# KiCad board Leonhart.kicad_pcb (continued)
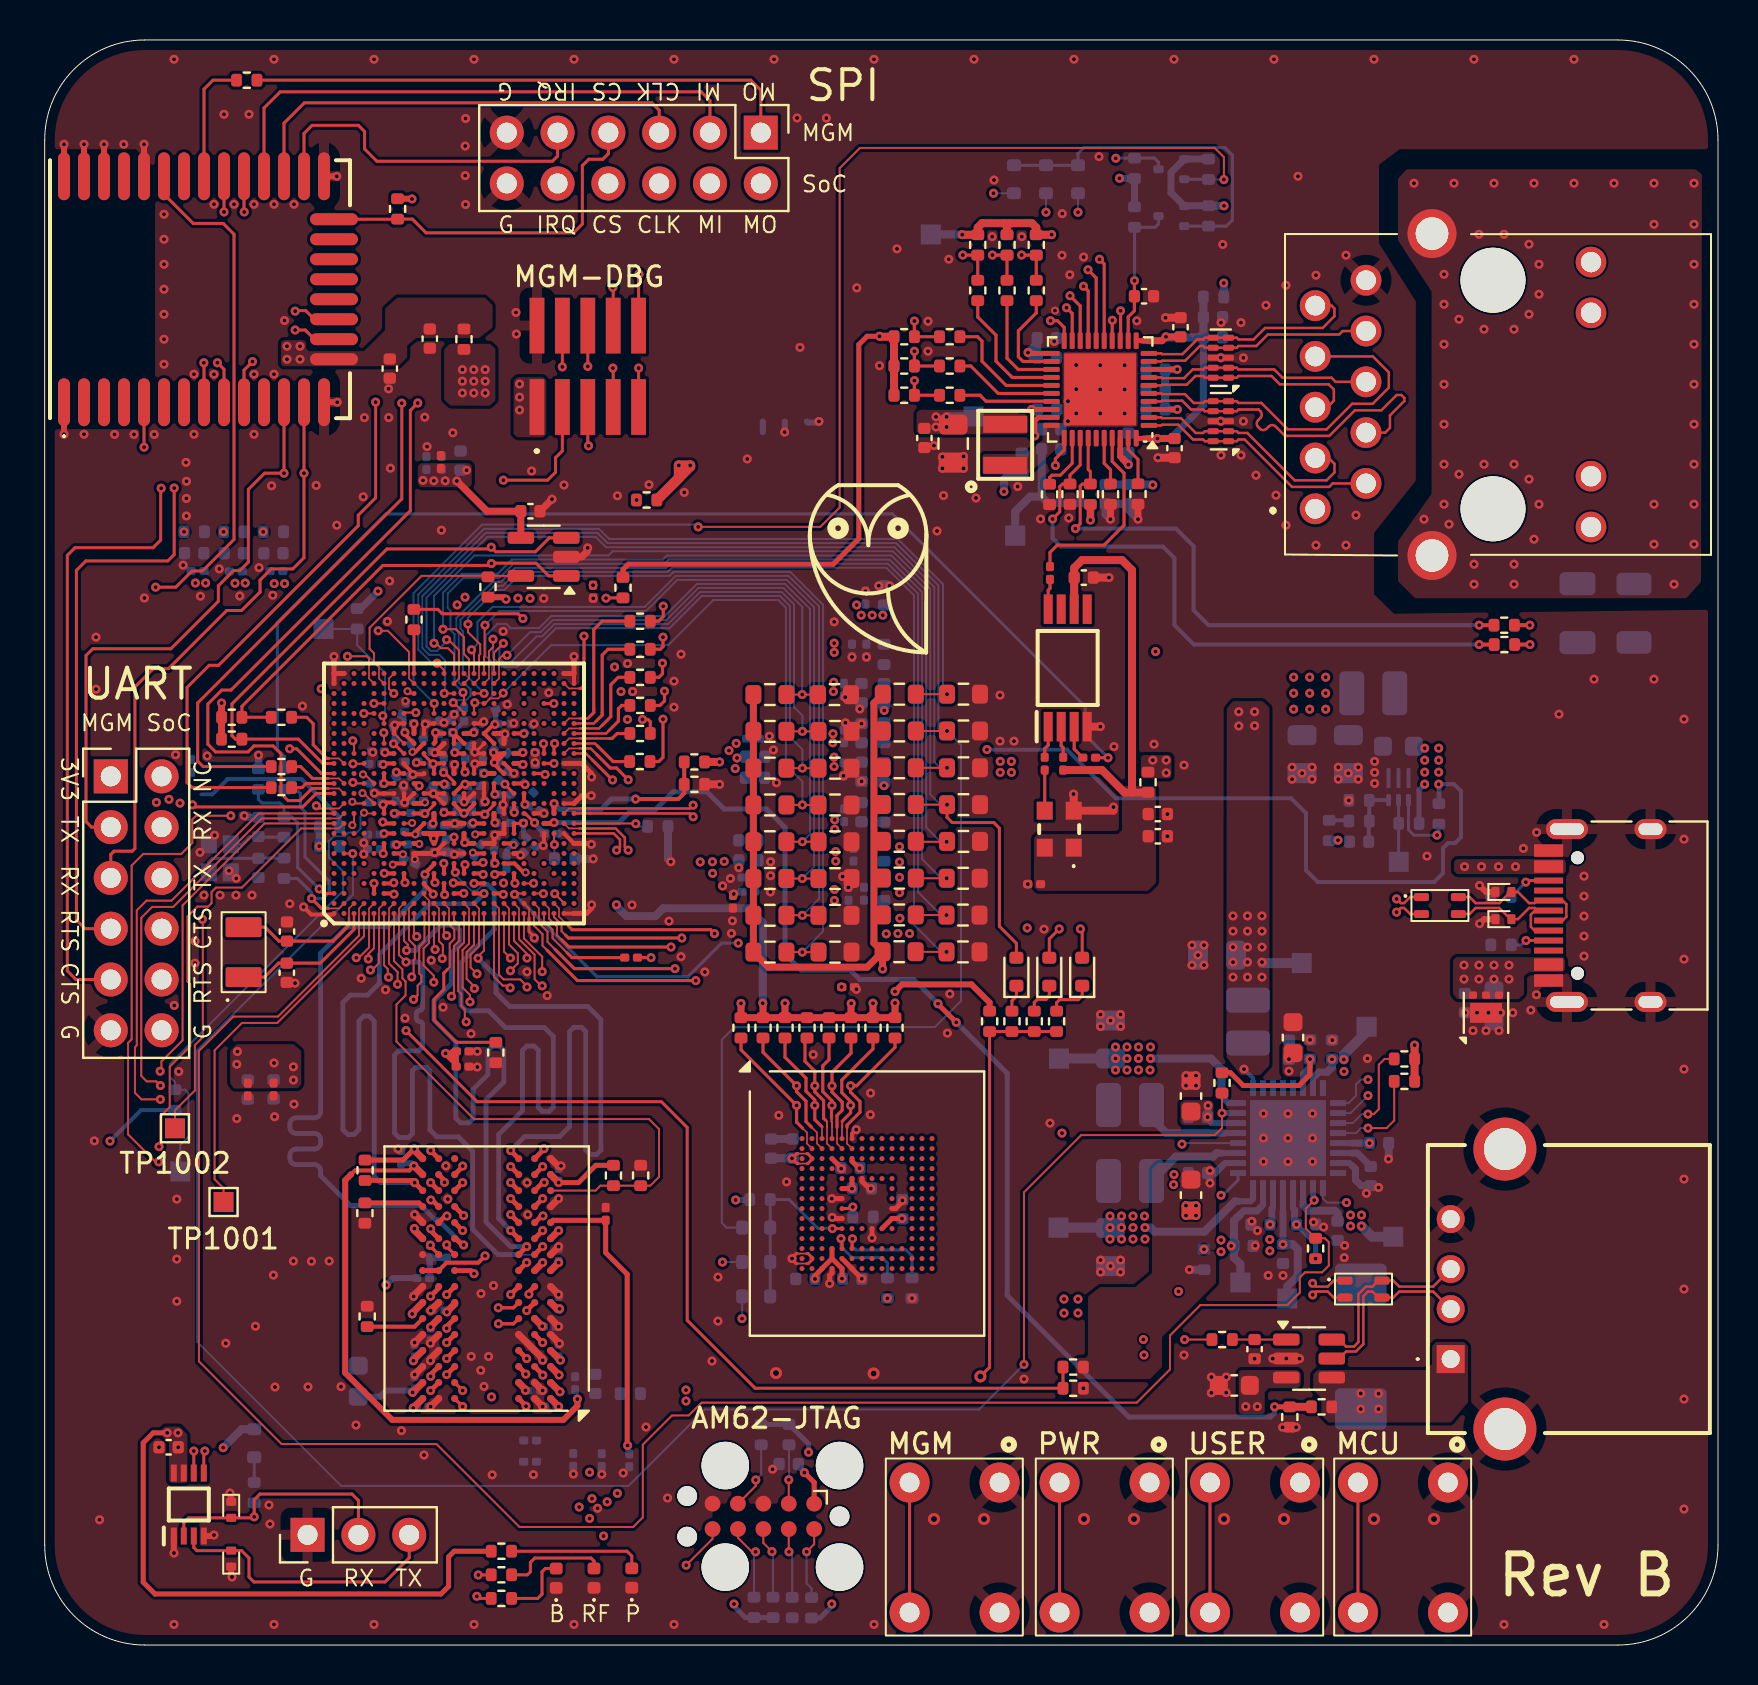
[diagram p0: board, top side]
## Nets (continued)
GND: C1001.2 C1002.2 C1003.2 C1004.2 C1005.2 C1006.2 C1007.2 C1008.2 C1009.2 C1010.2 C1011.2 C2001.2 C2002.2 C3001.2 C3002.2 C3003.2 C3004.2 C3005.2 C3006.2 C3007.2 C3008.2 C3009.2 C3010.2 C3011.2 C3012.2 C3013.2 C3014.2 C3015.2 C3016.2 C3017.2 C3018.2 C3019.2 C3021.2 C3022.2 C3023.2 C3024.2 C3025.2 C3026.2 C3027.2 C3028.2 C3029.2 C3030.2 C3031.2 C3032.2 C3033.2 C3034.2 C3035.2 C3036.2 C3037.2 C3038.2 C3039.2 C3040.2 C3041.2 C3042.2 C3043.2 C3044.2 C3045.2 C3046.2 C3047.2 C3048.2 C3049.2 C3051.2 C3052.2 C3053.2 C3054.2 C3055.2 C3056.2 C3057.2 C3058.2 C3059.2 C3060.2 C3061.2 C3062.2 C3063.2 C3064.2 C3065.2 C3066.2 C3067.2 C3068.2 C3069.2 C3070.2 C3071.2 C3072.2 C3073.2 C3074.2 C3075.2 C3076.2 C3077.2 C3078.2 C3079.2 C3080.2 C3081.2 C3082.2 C3083.2 C3084.2 C3085.2 C3086.2 C3087.2 C3088.2 C3089.2 C3090.2 C3091.2 C3092.2 C3093.2 C3094.2 C3095.2 C3096.2 C3097.2 C3098.2 C3099.2 C3100.2 C3101.2 C3102.2 C3103.2 C3104.2 C3105.2 C3106.2 C3107.2 C3108.2 C3109.2 C3110.2 C3111.2 C3112.2 C3113.2 C3114.2 C3115.2 C3116.2 C3117.2 C3118.2 C3119.2 C3120.2 C3121.2 C3122.2 C3123.2 C3124.2 C4001.2 C4002.2 C4003.2 C4005.2 C4006.2 C4007.2 C4008.2 C4009.2 C4010.2 C4011.2 C4012.2 C4013.2 C4014.2 C4015.2 C4016.2 C4017.2 C4019.2 C4020.2 C4021.2 C5001.2 C5002.2 C5003.2 C5004.2 C5005.2 C5006.2 C5007.2 C5008.2 C5009.2 C5010.2 C5013.2 C5014.2 C5015.2 C5016.2 C5017.2 C5018.2 C5019.2 C5020.2 C5021.2 C6001.2 C6002.2 C6003.2 C6004.2 C6005.2 C6006.2 C6007.2 C6008.2 C6009.2 C6010.2 C6011.2 C6012.2 D1005.1 D1006.1 D6001.1 D6002.1 D7001.1 D7002.1 D7003.1 J1002.3 J1002.5 J1003.1 J2001.11 J2001.12 J2004.11 J2004.12 J6001.A1 J6001.A12 J6001.B1 J6001.B12 J6001.S1 J6002.4 J6002.5 J6002.6 R1027.2 R1028.2 R1029.2 R1030.2 R1031.2 R1032.2 R1033.2 R1034.2 R1035.2 R1036.2 R1037.2 R1038.2 R1039.2 R1040.2 R1041.2 R1042.2 R1053.1 R1061.2 R3002.2 R3009.2 R3014.2 R4004.2 R4006.2 R4007.1 R4008.2 R4010.2 R5005.2 R5006.2 R5007.2 R5020.1 R5021.1 R5023.2 R5024.2 R5027.2 R5035.2 R5036.2 R5037.2 R6002.1 R6015.1 R6016.2 R6017.2 R6018.1 R6019.1 R6020.1 R6022.1 SW7001.1 SW7001.2 SW7002.1 SW7002.2 SW7003.1 SW7003.2 SW7004.1 SW7004.2 U1001.4 U1002.A1 U1002.A24 U1002.A25 U1002.AA11 U1002.AB9 U1002.AD1 U1002.AD9 U1002.AD12 U1002.AD16 U1002.AD25 U1002.AE1 U1002.AE8 U1002.AE12 U1002.AE16 U1002.AE24 U1002.AE25 U1002.B25 U1002.F13 U1002.G13 U1002.G19 U1002.H13 U1002.H16 U1002.H18 U1002.H20 U1002.J7 U1002.J13 U1002.K7 U1002.K13 U1002.K15 U1002.K19 U1002.L20 U1002.M7 U1002.M8 U1002.M10 U1002.M12 U1002.M13 U1002.M17 U1002.M18 U1002.N15 U1002.P7 U1002.P10 U1002.P13 U1002.R13 U1002.R15 U1002.R18 U1002.R20 U1002.T8 U1002.T13 U1002.T14 U1002.T16 U1002.T17 U1002.T18 U1002.U8 U1002.U19 U1002.V9 U1002.V10 U1002.V11 U1002.V13 U1002.V16 U1002.V18 U1002.W7 U1002.Y2 U1003.1 U1003.4 U1004.2 U2001.1 U2001.14 U2001.23 U2001.32 U2001.34 U2001.35 U2001.36 U2002.2 U3001.15 U3001.33 U3002.4 U4001.A2 U4001.A8 U4001.B2 U4001.C9 U4001.D2 U4001.D8 U4001.E1 U4001.E3 U4001.E8 U4001.E9 U4001.F1 U4001.G8 U4001.H1 U4001.H9 U4001.K1 U4001.K9 U4001.M9 U4001.N1 U4001.T1 U5001.10 U5001.12 U5002.41 U5003.3 U5003.8 U5004.3 U5004.8 U6001.1 U6001.2 U6001.3 U6001.7 U6002.A6 U6002.C4 U6002.E7 U6002.G5 U6002.H10 U6002.J5 U6002.K8 U6002.N2 U6002.N5 U6002.P4 U6002.P6 U6003.2 X1001.2 X1002.2 X1002.4
VDD1V0_ETH: 1V0_ETH.1 C5005.1 C5006.1 C5007.1 C5008.1 C5009.1 C5010.1 C5018.1 C5019.1 L5001.2 U5002.3 U5002.8 U5002.21 U5002.38
VDD1V8_CLKBUF: C1001.1 C1002.1 C1003.1 C1004.1 FB1001.2 R1020.1 U1001.6 X1001.1 X1001.4
VDD1V8_ETH: 1V8_ETH.1 C5013.1 C5014.1 C5015.1 R5001.1 R5002.1 R5003.1 R5004.1 R5032.1 R5033.1 R5034.1 U5002.28
VDD_1V2: C3009.1 C3082.1 C3083.1 C3084.1 C3085.1 C3086.1 C3087.1 C3088.1 C3089.1 C4004.1 C4005.1 C4006.1 C4007.1 C4008.1 C4009.1 C4010.1 C4011.1 C4012.1 C4013.1 C4014.1 C4015.1 C4016.1 C4017.1 C4018.2 L3003.2 R4003.1 R4005.2 R4009.2 U1002.K9 U1002.L8 U1002.M9 U1002.P9 U1002.R8 U3001.24 U4001.A1 U4001.A9 U4001.B3 U4001.B9 U4001.C1 U4001.D1 U4001.D9 U4001.F2 U4001.F8 U4001.G1 U4001.G7 U4001.G9 U4001.J1 U4001.J2 U4001.J8 U4001.J9 U4001.L1 U4001.L9 U4001.R1 U4001.T9 VDD_1V2.1
VDD_1V8: C1009.1 C3006.1 C3011.1 C3061.1 C3062.1 C3063.1 C3064.1 C3065.1 C3066.1 C3067.1 C3068.1 C3069.1 C3070.1 C3071.1 C3072.1 C6003.1 C6004.1 C6005.1 FB1001.1 J1002.1 L3002.2 Q5001.1 Q5002.1 R1001.1 R1002.1 R1003.1 R1004.1 R1005.1 R1006.1 R1007.1 R1008.1 R1009.1 R1010.1 R1011.1 R1012.1 R1013.1 R1014.1 R1015.1 R1016.1 R1017.1 R1018.1 R1054.1 R1055.1 R1056.1 R1057.1 R1058.1 R3003.1 R3008.1 R5028.1 R5030.1 R6004.1 R6005.1 R6006.1 R6007.1 R6008.1 R6009.1 R6010.1 R6011.1 R6012.1 R6013.1 U1002.F11 U1002.G10 U1002.G12 U1002.J18 U1002.N18 U1002.P18 U1002.T7 U1002.T19 U1002.U18 U1002.W16 U1002.W19 U3001.20 U3001.32 U6002.C6 U6002.M4 U6002.N4 U6002.P3 U6002.P5 VDD_1V8.1
VDD_2V5: C3016.1 FB4001.1 U3001.23 VDD_2V5.1
VDD_3V3: C1010.1 C1011.1 C3010.1 C3012.1 C3020.2 C3021.1 C3022.1 C3073.1 C3074.1 C3075.1 C3076.1 C3077.1 C3078.1 C3079.1 C3080.1 C3081.1 C6001.1 C6002.1 D1004.2 FB2001.1 FB5001.2 FB5003.1 L3004.2 R1019.1 R1043.1 R1044.1 R1060.1 R3004.1 R3005.1 R3006.1 R3013.2 R7001.1 U1002.F15 U1002.G14 U1002.H9 U1002.K10 U1002.L18 U1002.M19 U1002.Y13 U1003.7 U1003.8 U1004.4 U3001.6 U3001.22 U6002.E6 U6002.F5 U6002.J10 U6002.K9
VDD_CANUART: C3114.1 C3115.1 C3116.1 FB3009.2 U1002.F8
VDD_CORE: C3003.1 C3032.1 C3033.1 C3034.1 C3035.1 C3036.1 C3037.1 C3038.1 C3039.1 C3040.1 C3041.1 C3042.1 C3043.1 C3044.1 C3045.1 C3046.1 C3047.1 C3048.1 C3049.1 FB3003.1 FB3006.1 FB3009.1 L3001.2 U1002.H8 U1002.J11 U1002.J14 U1002.K17 U1002.L12 U1002.L15 U1002.M16 U1002.N8 U1002.N11 U1002.N13 U1002.P17 U1002.R11 U1002.R14 U1002.U12 U1002.V8 U1002.V15 U1002.V17 U3001.1 VDD_CORE.1
VDD_MGM: C2001.1 C2002.1 FB2001.2 J2001.1 R2002.1 U2001.15 U2002.1
VDD_SD: C3013.1 FB3011.1 U3001.7 VDD_SD.1
VDDA3V3_ETH: C5001.1 C5002.1 C5003.1 C5004.1 FB5001.1 U5002.11 U5002.40
VDDA_1V8: C3015.1 C3120.1 C3121.1 C3122.1 FB3001.1 FB3002.1 FB3004.1 FB3005.1 FB3007.1 FB3008.1 FB3010.1 U1002.G7 U1002.G16 U1002.T9 U3001.21 VDDA_1V8.1
VDDA_1V8_CSIRX: C3090.1 C3091.1 C3092.1 FB3001.2 U1002.W14
VDDA_1V8_MCU: C3108.1 C3109.1 C3110.1 FB3007.2 U1002.L11
VDDA_1V8_OLDI: C3117.1 C3118.1 C3119.1 FB3010.2 U1002.W9 U1002.W10
VDDA_1V8_USB: C3099.1 C3100.1 C3101.1 FB3004.2 U1002.Y11
VDDA_CORE_CSI: C3105.1 C3106.1 C3107.1 FB3006.2 U1002.W13
VDDA_CORE_USB: C3096.1 C3097.1 C3098.1 FB3003.2 U1002.W12
VDDA_PLL0: C3093.1 C3094.1 C3095.1 FB3002.2 U1002.U11
VDDA_PLL1: C3102.1 C3103.1 C3104.1 FB3005.2 U1002.U15
VDDA_PLL2: C3111.1 C3112.1 C3113.1 FB3008.2 U1002.L14
VDDR_CORE: C3014.1 C3051.1 C3052.1 C3053.1 C3054.1 C3055.1 C3056.1 C3057.1 C3058.1 C3059.1 C3060.1 C3124.1 U1002.J12 U1002.K16 U1002.N12 U1002.N14 U1002.P16 U1002.R12 U1002.T10 U1002.U14 U3001.19 VDDR_CORE.1
VDDSHV5_SDIO: C3123.1 FB3011.2 U1002.G17
/Ethernet [5]/ETH_CFG_EXIT/LED0: R5020.2 U5002.32
/Ethernet [5]/ETH_CFG_LDO0/LED1: R5024.1 R5039.1 U5002.33
/Ethernet [5]/ETH_CFG_LDO1/LED2: R5022.1 R5026.1 U5002.34
/Ethernet [5]/ETH_INTB: Q5002.3 R5031.2 U5002.31
/Ethernet [5]/ETH_LED_GREEN_A: R5039.2 U5001.11
/Ethernet [5]/ETH_LED_YELLOW_K: R5026.2 U5001.13
/Ethernet [5]/ETH_MD0+: U5001.2 U5002.1 U5004.1 U5004.10
/Ethernet [5]/ETH_MD0-: U5001.3 U5002.2 U5004.2 U5004.9
/Ethernet [5]/ETH_MD1+: U5001.4 U5002.4 U5004.4 U5004.7
/Ethernet [5]/ETH_MD1-: U5001.7 U5002.5 U5004.5 U5004.6
/Ethernet [5]/ETH_MD2+: U5001.5 U5002.6 U5003.1 U5003.10
/Ethernet [5]/ETH_MD2-: U5001.6 U5002.7 U5003.2 U5003.9
/Ethernet [5]/ETH_MD3+: U5001.8 U5002.9 U5003.4 U5003.7
/Ethernet [5]/ETH_MD3-: U5001.9 U5002.10 U5003.5 U5003.6
/Ethernet [5]/ETH_PHY_RD0: R5008.2 U5002.25
/Ethernet [5]/ETH_PHY_RD1: R5009.2 U5002.24
/Ethernet [5]/ETH_PHY_RD2: R5010.2 U5002.23
/Ethernet [5]/ETH_PHY_RD3: R5011.2 U5002.22
/Ethernet [5]/ETH_PHY_REGOUT: L5001.1 U5002.30
/Ethernet [5]/ETH_PHY_RX_CTL: R5013.2 U5002.26
/Ethernet [5]/ETH_PHY_RXC: R5012.2 U5002.27
/Ethernet [5]/ETH_PHY_TD0: R5014.2 U5002.18
/Ethernet [5]/ETH_PHY_TD1: R5015.2 U5002.17
/Ethernet [5]/ETH_PHY_TD2: R5016.2 U5002.16
/Ethernet [5]/ETH_PHY_TD3: R5017.2 U5002.15
/Ethernet [5]/ETH_PHY_TX_CTL: R5019.2 U5002.19
/Ethernet [5]/ETH_PHY_TXC: R5018.2 U5002.20
/Ethernet [5]/ETH_PHYRSTB: C5020.1 Q5001.3 R5029.2 U5002.12
/Ethernet [5]/ETH_PHYRSTB_DRAIN: D5001.2 D5002.2 D5003.2 Q5001.2 R5028.2
/Ethernet [5]/ETH_RD0: R5003.2 R5008.1 R5037.1 U1002.AB17
/Ethernet [5]/ETH_RD1: R5002.2 R5009.1 R5036.1 U1002.AC17
/Ethernet [5]/ETH_RD2: R5005.1 R5010.1 R5032.2 U1002.AB16
/Ethernet [5]/ETH_RD3: R5001.2 R5011.1 R5035.1 U1002.AA15
/Ethernet [5]/ETH_RSET: R5023.1 U5002.39
/Ethernet [5]/ETH_RX_CTL: R5007.1 R5013.1 R5034.2 U1002.AE17
/Ethernet [5]/ETH_RXC: R5006.1 R5012.1 R5033.2 U1002.AD17
/Ethernet [5]/ETH_TD0: R5014.1 U1002.AE20
/Ethernet [5]/ETH_TD1: R5015.1 U1002.AD20
/Ethernet [5]/ETH_TD2: R5016.1 U1002.AE18
/Ethernet [5]/ETH_TD3: R5017.1 U1002.AD18
/Ethernet [5]/ETH_TX_CTL: R5019.1 U1002.AD19
/Ethernet [5]/ETH_TXC: R5018.1 U1002.AE19
/Ethernet [5]/ETH_XTAL_IN: R5021.2 U5002.36
/Host System [1]/BOOTMODE2: R1015.2 R1040.1 U1002.N24
/Host System [1]/BOOTMODE3: D1001.2 R1014.2 R1039.1 U1002.N25
/Host System [1]/BOOTMODE4: R1013.2 R1038.1 U1002.P24
/Host System [1]/BOOTMODE5: R1012.2 R1037.1 U1002.P22
/Host System [1]/BOOTMODE6: R1011.2 R1036.1 U1002.P21
/Host System [1]/BOOTMODE7: R1010.2 R1035.1 U1002.R23
/Host System [1]/BOOTMODE8: R1009.2 R1034.1 U1002.R24
/Host System [1]/BOOTMODE9: R1008.2 R1033.1 U1002.R25
/Host System [1]/BOOTMODE10: R1007.2 R1032.1 U1002.T25
/Host System [1]/BOOTMODE11: D1002.2 R1006.2 R1031.1 U1002.R21
/Host System [1]/BOOTMODE12: R1005.2 R1030.1 U1002.T22
/Host System [1]/BOOTMODE13: D1003.2 R1004.2 R1029.1 U1002.T24
/Host System [1]/BOOTMODE14: R1003.2 R1028.1 U1002.U25
/Host System [1]/BOOTMODE15: R1002.2 R1027.1 U1002.U24
/Host System [1]/CLKBUF_1G: R1020.2 U1001.2
/Host System [1]/CLKOUT: R1022.2 U1001.1
/Host System [1]/CLKOUT_OSC: R1022.1 X1001.3
/Host System [1]/EEP_WP: R1060.2 U1002.F24 U1004.5
/Host System [1]/ETH_CLK_BUF: R1023.1 U1001.8
/Host System [1]/I2C_SCL_SoC: R1046.1 U1002.B16
/Host System [1]/MCU_ERRORN: TP1001.1 U1002.D1
/Host System [1]/MCU_OSC0_XI: R1045.1 R1047.1 U1002.B2
/Host System [1]/MCU_OSC0_XO: R1052.1 R1053.2 U1002.A3
/Host System [1]/MCU_RESETSTATz: TP1002.1 U1002.B12
/Host System [1]/MCU_RESETZ: R1018.2 TP1003.1 U1002.E11
/Host System [1]/MGM_RESETn_SoC: R1048.2 U1002.J25
/Host System [1]/RESET_REQZ: R1019.2 TP1004.1 U1002.F20
/Host System [1]/SoC_CLK_BUF: R1021.1 U1001.3
/Host System [1]/SoC_CLKIN: R1021.2 R1045.2
/Host System [1]/SOC_EMU0: J1002.7 R1058.2 U1002.E12
/Host System [1]/SOC_EMU1: J1002.10 R1056.2 U1002.C11
/Host System [1]/SoC_SPI0_CLK: R1049.1 U1002.A14
/Host System [1]/SoC_SPI0_MOSI: R1051.1 U1002.B14
/Host System [1]/SOC_TCK: J1002.4 R1054.2 U1002.A10
/Host System [1]/SOC_TDI: J1002.8 R1057.2 U1002.A11
/Host System [1]/SOC_TDO: J1002.6 U1002.D12
/Host System [1]/SOC_TMS: J1002.2 R1055.2 U1002.B11
/Host System [1]/SOC_TRST#: J1002.9 R1061.1 U1002.B10
/Host System [1]/UART0_RXD: U1002.D14 U1003.6
/Host System [1]/UART0_RXD_HEADER: D1006.2 J1003.2 R1059.2 U1003.2
/Host System [1]/UART0_RXD_PU: D1004.1 R1059.1
/Host System [1]/UART0_TXD: U1002.E14 U1003.5
/Host System [1]/UART0_TXD_HEADER: D1005.2 J1003.3 U1003.3
/Host System [1]/WKUP_LFOSC0_XI: C1008.1 U1002.C2 X1003.2
/Host System [1]/WKUP_LFOSC0_XO: C1007.1 U1002.C1 X1003.1
/Memory [4]/DDR_A0: U1002.J1 U4001.P3
/Memory [4]/DDR_A1: U1002.J2 U4001.P7
/Memory [4]/DDR_A2: U1002.K3 U4001.R3
/Memory [4]/DDR_A3: U1002.L5 U4001.N7
/Memory [4]/DDR_A4: U1002.K4 U4001.N3
/Memory [4]/DDR_A5: U1002.K1 U4001.P8
/Memory [4]/DDR_A6: U1002.R2 U4001.P2
/Memory [4]/DDR_A7: U1002.P2 U4001.R8
/Memory [4]/DDR_A8: U1002.P1 U4001.R2
/Memory [4]/DDR_A9: U1002.P4 U4001.R7
/Memory [4]/DDR_A10: U1002.R5 U4001.M3
/Memory [4]/DDR_A11: U1002.P5 U4001.T2
/Memory [4]/DDR_A12: U1002.R6 U4001.M7
/Memory [4]/DDR_A13: U1002.R1 U4001.T8
/Memory [4]/DDR_A14_WEn: U1002.N3 U4001.L2
/Memory [4]/DDR_A15_CAS: U1002.M4 U4001.M8
/Memory [4]/DDR_A16_RAS: U1002.M5 U4001.L8
/Memory [4]/DDR_ACTn: U1002.N6 U4001.L3
/Memory [4]/DDR_ALERTn: R4005.1 U1002.R3 U4001.P9
/Memory [4]/DDR_BA0: U1002.M1 U4001.N2
/Memory [4]/DDR_BA1: U1002.N1 U4001.N8
/Memory [4]/DDR_BG0: U1002.T4 U4001.M2
/Memory [4]/DDR_CAL0: R4007.2 U1002.M2
/Memory [4]/DDR_CKE: U1002.H2 U4001.K2
/Memory [4]/DDR_CLK_R: C4004.2 R4001.1 R4002.1
/Memory [4]/DDR_CLKN: R4002.2 U1002.L2 U4001.K8
/Memory [4]/DDR_CLKP: R4001.2 U1002.L1 U4001.K7
/Memory [4]/DDR_CSn: U1002.L6 U4001.L7
/Memory [4]/DDR_DQ0: U1002.F4 U4001.G2
/Memory [4]/DDR_DQ1: U1002.H6 U4001.F7
/Memory [4]/DDR_DQ2: U1002.E3 U4001.H3
/Memory [4]/DDR_DQ3: U1002.F3 U4001.H7
/Memory [4]/DDR_DQ4: U1002.F1 U4001.H2
/Memory [4]/DDR_DQ5: U1002.G5 U4001.H8
/Memory [4]/DDR_DQ6: U1002.G2 U4001.J3
/Memory [4]/DDR_DQ7: U1002.F2 U4001.J7
/Memory [4]/DDR_DQ8: U1002.U1 U4001.A3
/Memory [4]/DDR_DQ9: U1002.U3 U4001.B8
/Memory [4]/DDR_DQ10: U1002.U2 U4001.C3
/Memory [4]/DDR_DQ11: U1002.V5 U4001.C7
/Memory [4]/DDR_DQ12: U1002.W2 U4001.C2
/Memory [4]/DDR_DQ13: U1002.V6 U4001.C8
/Memory [4]/DDR_DQ14: U1002.Y1 U4001.D3
/Memory [4]/DDR_DQ15: U1002.W1 U4001.D7
/Memory [4]/DDR_LDM: U1002.H5 U4001.E7
/Memory [4]/DDR_LDQS_N: U1002.E2 U4001.F3
/Memory [4]/DDR_LDQS_P: U1002.E1 U4001.G3
/Memory [4]/DDR_ODT: U1002.H1 U4001.K3
/Memory [4]/DDR_PARITY: U1002.T1 U4001.T3
/Memory [4]/DDR_RESET#: R4003.2 R4004.1 U1002.G1 U4001.P1
/Memory [4]/DDR_TEN: R4008.1 U4001.N9
/Memory [4]/DDR_UDM: U1002.W5 U4001.E2
/Memory [4]/DDR_UDQS_N: U1002.V2 U4001.A7
/Memory [4]/DDR_UDQS_P: U1002.V1 U4001.B7
/Memory [4]/DDR_ZQ: R4006.1 U4001.F9
/Power Circuitry [3]/CAP_VDDS0: C3023.1 U1002.H15
/Power Circuitry [3]/CAP_VDDS1: C3024.1 U1002.K18
/Power Circuitry [3]/CAP_VDDS2: C3025.1 U1002.W17
/Power Circuitry [3]/CAP_VDDS3: C3026.1 U1002.P19
/Power Circuitry [3]/CAP_VDDS4: C3027.1 U1002.U7
/Power Circuitry [3]/CAP_VDDS5: C3028.1 U1002.H17
/Power Circuitry [3]/CAP_VDDS6: C3029.1 U1002.J19
/Power Circuitry [3]/CAP_VDDS_CANUART: C3031.1 U1002.G9
/Power Circuitry [3]/CAP_VDDS_MCU: C3030.1 U1002.H11
/Power Circuitry [3]/PMIC_B1_O: L3001.1 U3001.2 U3001.3
/Power Circuitry [3]/PMIC_B2_O: L3002.1 U3001.29
/Power Circuitry [3]/PMIC_B3_O: L3003.1 U3001.27
/USB and MMC [6]/EMMC_CLK: R6001.2 R6019.2 U6002.M6
/USB and MMC [6]/EMMC_CMD: R6012.2 U1002.Y3 U6002.M5
/USB and MMC [6]/EMMC_D0: R6011.2 U1002.AA2 U6002.A3
/USB and MMC [6]/EMMC_D1: R6010.2 U1002.AA1 U6002.A4
/USB and MMC [6]/EMMC_D2: R6009.2 U1002.AA3 U6002.A5
/USB and MMC [6]/EMMC_D3: R6008.2 U1002.Y4 U6002.B2
/USB and MMC [6]/EMMC_D4: R6007.2 U1002.AB2 U6002.B3
/USB and MMC [6]/EMMC_D5: R6006.2 U1002.AC1 U6002.B4
/USB and MMC [6]/EMMC_D6: R6005.2 U1002.AD2 U6002.B5
/USB and MMC [6]/EMMC_D7: R6004.2 U1002.AC2 U6002.B6
/USB and MMC [6]/EMMC_DS: R6020.2 U6002.H5
/USB and MMC [6]/EMMC_RST_N: D6003.2 D6004.2 D6005.2 R6013.2 U6002.K5
/USB and MMC [6]/EMMC_VDDI: C6008.1 C6009.1 U6002.C2
/USB and MMC [6]/SoC_EMMC_CLK: R6001.1 U1002.AB1
/USB and MMC [6]/USB0_DN: L6001.1 U1002.AE11
/USB and MMC [6]/USB0_DP: L6001.4 U1002.AD11
/USB and MMC [6]/USB0_RCALIB: R6015.2 U1002.AE10
/USB and MMC [6]/USB0_VBUS: R6002.2 R6003.1 U1002.AC11
/USB and MMC [6]/USB1_DN: L6002.1 U1002.AD10
/USB and MMC [6]/USB1_DP: L6002.4 U1002.AE9
/USB and MMC [6]/USB1_DRVVBUS: R6023.1 U1002.F18
/USB and MMC [6]/USB1_RCALIB: R6018.2 U1002.AC9
/USB and MMC [6]/USB1_VBUS: R6021.1 R6022.2 U1002.AB10
/USB and MMC [6]/USB_A_DN: J6002.2 L6002.2 U6003.5
/USB and MMC [6]/USB_A_DP: J6002.3 L6002.3 U6003.6
/USB and MMC [6]/USB_A_LS_EN: C6011.1 R6023.2 U6003.1
/USB and MMC [6]/USB_A_VBUS: C6012.1 J6002.1 R6021.2 U6003.4
/USB and MMC [6]/USB_C_CC1: J6001.A5 R6016.1
/USB and MMC [6]/USB_C_CC2: J6001.B5 R6017.1
/USB and MMC [6]/USB_C_DN: D6002.2 J6001.A7 J6001.B7 L6001.2
/USB and MMC [6]/USB_C_DP: D6001.2 J6001.A6 J6001.B6 L6001.3
/Zigbee+Thread [2]/MGM_PTI_DATA: U2001.27 U2002.10
/Zigbee+Thread [2]/MGM_PTI_SYNC: U2001.28 U2002.9
/Zigbee+Thread [2]/MGM_SPI0_CLK: J2004.5 U2001.25
/Zigbee+Thread [2]/MGM_SPI0_CS: J2004.7 R2002.2 U2001.22
/Zigbee+Thread [2]/MGM_SPI0_IRQ: J2004.9 U2001.24
/Zigbee+Thread [2]/MGM_SPI0_MISO: J2004.1 R2001.2
/Zigbee+Thread [2]/MGM_SPI0_MISO_R: R2001.1 U2001.29
/Zigbee+Thread [2]/MGM_SPI0_MOSI: J2004.3 U2001.26
/Zigbee+Thread [2]/MGM_SWCLK: U2001.8 U2002.8
/Zigbee+Thread [2]/MGM_SWDIO: U2001.9 U2002.7
/Zigbee+Thread [2]/MGM_SWO: U2001.10 U2002.6
/Zigbee+Thread [2]/MGM_UART_CTSn: J2001.9 U2001.17
/Zigbee+Thread [2]/MGM_UART_RTSn: J2001.7 U2001.16
/Zigbee+Thread [2]/MGM_UART_RXD: J2001.5 U2001.13 U2002.4
/Zigbee+Thread [2]/MGM_UART_TXD: J2001.3 U2001.12 U2002.5
BOOT_LED: R7003.1 U1002.J23
CGND: C5021.1 R5027.1 U5001.15 U5001.16
DDR_VPP: C4001.1 C4002.1 C4003.1 FB4001.2 U4001.B1 U4001.R9
DDR_VREFCA: C4018.1 C4019.1 C4020.1 C4021.1 R4009.1 R4010.1 U4001.M1
EMMC_RSTn: D6003.1 R1016.2 R1041.1 U1002.N23
ETH_CLK: R1023.2 U5002.37
ETH_INTn: Q5002.2 R5030.2 U1002.L21
ETH_MDC: U1002.AD24 U5002.13
ETH_MDIO: R5004.2 U1002.AB22 U5002.14
ETH_RSTn: D5001.1 R1017.2 R1042.1 U1002.M25
EXTINTn: R3004.2 U1002.D16 U3001.11
I2C0_SCL: R1043.2 R1046.2 U1004.1 U3001.10
I2C0_SDA: R1044.2 U1002.A16 U1004.3 U3001.9
MCU_PORz: R3003.2 SW7002.3 SW7002.4 U1002.D2 U3001.18
MGM_PB01: R7002.1 U2001.5
MGM_RESETn: R1048.1 SW7004.3 SW7004.4 U2001.31 U2002.3
PMIC_LPM_EN0: R3005.2 U1002.B7 U3001.31
PORz_OUT: D5002.1 D6005.1 U1002.E21
PWR_BTN: R3007.2 SW7001.3 SW7001.4 U3001.25
RESETSTATz: D5003.1 D6004.1 U1002.F22 U3001.28
SD_VOLT_SEL: R3006.2 U1002.C17 U3001.12
SPI0_CLK: J2004.6 R1049.2
SPI0_CS: J2004.8 U1002.A13
SPI0_IRQ: J2004.10 U1002.A15
SPI0_MISO: J2004.2 U1002.B13
SPI0_MOSI: J2004.4 R1051.2
UART5_CTSn: J2001.8 U1002.J24
UART5_RTSn: J2001.10 U1002.G25
UART5_RXD: J2001.4 U1002.H21
UART5_TXD: J2001.6 U1002.E24
USER_BTN: R1001.2 R1024.1 R1025.1 R1026.1 SW7003.3 SW7003.4
VSYS_5V: C3001.1 C3002.1 C3004.1 C3005.1 C3007.1 C3008.1 C3017.1 C3019.1 C6006.1 C6007.1 C6010.1 J6001.A4 J6001.A9 J6001.B4 J6001.B9 R3001.1 R3007.1 R3010.1 R3011.1 R6003.2 U3001.4 U3001.5 U3001.13 U3001.26 U3001.30 U3002.6 U6001.4 U6001.5 U6001.6 U6003.3
Net-(C1005-Pad1): C1005.1 R1047.2 X1002.3
Net-(C1006-Pad1): C1006.1 R1052.2 X1002.1
Net-(D1001-K): D1001.1 R1024.2
Net-(D1002-K): D1002.1 R1025.2
Net-(D1003-K): D1003.1 R1026.2
Net-(D7001-A): D7001.2 R7001.2
Net-(D7002-A): D7002.2 R7002.2
Net-(D7003-A): D7003.2 R7003.2
Net-(R3012-Pad2): R3012.2 R3013.1

Pads without a net: J2001 2; J6001 A8 B8; U1001 5 7; U1002 A2 A4 A5 A6 A7 A8 A9 A12 A17 A18 A19 A20 A21 A22 A23 AA5 AA7 AA8 AA12 AA14 AA18 AA19 AA21 AA23 AA24 AA25 AB4 AB6 AB12 AB14 AB20 AB24 AB25 AC5 AC6 AC13 AC15 AC20 AC21 AC24 AC25 AD3 AD4 AD5 AD6 AD7 AD8 AD13 AD14 AD15 AD21 AD22 AD23 AE2 AE3 AE4 AE5 AE6 AE7 AE13 AE14 AE15 AE21 AE22 AE23 B1 B3 B4 B5 B6 B8 B9 B15 B17 B18 B19 B20 B21 B22 B23 B24 C5 C6 C9 C13 C15 C20 C21 C24 C25 D4 D6 D9 D10 D17 D20 D22 D24 D25 E5 E7 E8 E15 E18 E19 E23 E25 F6 F23 F25 G21 G24 H24 H25 J3 J4 J22 K2 K22 K24 K25 L23 L24 L25 M21 M22 M24 N2 N20 P25 T2 U4 U22 U23 V20 V21 V24 V25 W21 W24 W25 Y6 Y8 Y15 Y18 Y20 Y22 Y23 Y24 Y25; U2001 2 3 4 6 7 11 18 19 20 21 30 33; U3001 8 16; U4001 T7; U5001 1; U5002 35; U6002 A1 A2 A7 A8 A9 A10 A11 A12 A13 A14 B1 B7 B8 B9 B10 B11 B12 B13 B14 C1 C3 C5 C7 C8 C9 C10 C11 C12 C13 C14 D1 D2 D3 D4 D12 D13 D14 E1 E2 E3 E5 E8 E9 E10 E12 E13 E14 F1 F2 F3 F10 F12 F13 F14 G1 G2 G3 G10 G12 G13 G14 H1 H2 H3 H12 H13 H14 J1 J2 J3 J12 J13 J14 K1 K2 K3 K6 K7 K10 K12 K13 K14 L1 L2 L3 L12 L13 L14 M1 M2 M3 M7 M8 M9 M10 M11 M12 M13 M14 N1 N3 N6 N7 N8 N9 N10 N11 N12 N13 N14 P1 P2 P7 P8 P9 P10 P11 P12 P13 P14

## Via types
v1: diameter 0.45, hole 0.2, Top to Bottom, 1178 vias
v2: diameter 0.4, hole 0.2, Top to Bottom, 20 vias
v3: diameter 0.44, hole 0.203, Top to Bottom, 3 vias
v4: diameter 0.6, hole 0.3, Top to Bottom, 11 vias

## Routing (per net, layer and track width the routed paths; a pad name or vN(x,y) marks a point on that pad's centre or on a via; arc(x,y) is an arc through that point)
/Power Circuitry [3]/VDD1P8: length 1.9
  Bottom w0.3: U3001.14 65.36,24.6
  Bottom w0.35: 65.36,24.6 65.63,24.6 C3018.1
/Power Circuitry [3]/VDD_3V3_EN: length 27.3
  In2.Cu w0.1: v1(65.09,22.12) 67.51,22.12 69.86,24.48 69.86,40.25 v1(69.61,40.5)
  Bottom w0.1: U3001.17 63.91,22.33 64.11,22.12 v1(65.09,22.12)
  Bottom w0.15: U3002.1 68.19,40.77 68.46,40.5 69.59,40.5 69.71,40.62 R3011.2
/Power Circuitry [3]/VDD_3V3_FB: length 3
  Bottom w0.2: U3002.3 66.24,42.25 R3014.1 R3012.1 66.2,41.18 C3020.1
/Power Circuitry [3]/VDD_3V3_PG: length 3.1
  Bottom w0.15: 3V3_PG.1 R3010.2 67.7,42.24 U3002.2
/Power Circuitry [3]/VDD_SoC_VPP: length 7
  Top w0.254: v2(18.73,40.06) 18.71,40.09 U1002.J8
  In2.Cu w0.15: v2(18.73,40.06) 18.42,40.06 18.05,40.43 17.38,40.43 17.02,40.07 16.57,40.07 16.12,40.52 15.02,40.52 14.45,39.95 v1(13.72,39.95)
  Bottom w0.35: R3008.2 v1(13.72,39.95)
/Power Circuitry [3]/VDDA_SYS_MON: length 59.5
  Top w0.1: U1002.H10 18.31,41.09 18.34,41.11 v2(18.37,41.11)
  Top w0.15: R3001.2 R3002.1 35.52,12.84 32.12,16.24 32.12,25.88 30.83,27.17 21.62,27.17 v1(18.06,30.73)
  In5.Cu w0.1: v2(18.37,41.11) 18.32,41.07 18.32,41.05 18.11,40.84 18.11,40.18 18.86,39.43 18.86,39.08 18.4,38.62 18.4,37.75 17.98,37.33 17.98,35.47 18.54,34.91 18.54,34.07 18.25,33.77 18.09,33.77 17.97,33.65 17.97,33.25 18.05,33.16 18.05,31.87 18.42,31.5 18.42,31.09 v1(18.06,30.73)
DVDD3V3_ETH: length 70.8
  Top w0.25: U5002.29 49.68,61.39 49.5,61.21 v1(49.5,60.47)
  Top w0.35: v1(52.28,56.26) R5022.2
  In4.Cu w0.4: 56.96,52.05 57.49,52.05 ; 56.96,52.05 55.02,52.05 54.45,52.62 54.45,53.75 53.95,54.25 52.73,54.25 52.28,54.7 v1(52.28,56.26) ; 56.96,52.05 57.49,52.58 ; 57.49,52.05 58.02,52.05 ; 57.49,52.05 57.49,52.58 ; 57.49,52.58 58.02,52.05 ; 57.49,52.58 57.49,72.47 56.61,73.35 v1(53.74,73.35) ; 58.02,52.05 76.49,52.05 77.31,52.87 U5001.14
  Bottom w0.35: v1(53.74,73.35) 53.75,73.34 R5031.1 R5029.1
  Bottom w0.4: 49.85,57.43 49.27,57.43 48.52,56.68 3V3_ETH.1 ; 49.85,57.43 49.85,59.79 C5016.1 ; 49.85,57.43 50.16,57.12 51.98,57.12 52.28,56.82 v1(52.28,56.26)
GND: length 102.8
  Top w0.081: 37.61,19.58 38.11,19.58 ; 24.21,36.37 24.21,36.84 U1002.Y2 ; 38.11,19.08 37.61,19.08
  Top w0.1: U1002.H18 U1002.G19
  Top w0.15: 38.11,19.58 38.16,19.58 38.36,19.38 U6002.N2 38.36,19.27 38.17,19.08 38.11,19.08 ; v1(21.5,44.65) 21.52,44.67 21.56,44.67 21.96,45.07 U1002.T18 ; v1(24.48,35.36) 24.48,35.42 24.21,35.68 24.21,36.37 ; 37.61,19.58 37.57,19.58 37.36,19.37 v1(37.36,19.33) 37.36,19.28 37.56,19.08 37.61,19.08
  Top w0.2: U1002.M7 19.54,39.59 19.5,39.62 ; U1002.G13 U1002.F13 16.49,42.59 v1(16.48,42.6) ; U1002.V13 22.96,42.07 22.92,42.02 v1(22.92,42.02) 22.96,41.97 U1002.V11 ; v1(19.44,42.59) U1002.M13 ; U1002.AB9 24.96,40.13 24.93,40.1 v1(24.93,39.98) ; 18.45,42.59 v1(17.99,42.12) 17.96,42.16 U1002.H13 ; U1002.R18 21.46,44.71 21.5,44.67 v1(21.5,44.65) 21.54,44.61 21.56,44.61 21.59,44.59 U1002.T17 ; U1002.M12 19.94,42.09 19.41,42.61 ; v1(23.46,43.59) 22.97,44.09 U1002.V16 ; U1002.R13 21.46,42.59 21.03,42.16 20.96,42.16 20.95,42.17 20.96,42.19 U1002.P13 ; 19.38,42.59 U1002.K13 ; U1002.L20 19.11,46.09 19.07,46.05 v1(19.02,46.05) 19.02,46.01 18.96,45.95 U1002.K19 ; v1(20.48,39.53) 20.48,39.58 U1002.P7 ; U1002.AD1 U1002.AE1 ; U1002.AE24 U1002.AE25 ; U1002.A1 14.41,36.53 13.32,36.53 v1(12.94,36.91) ; U1002.K15 18.92,43.54 18.42,43.54 v1(18.41,43.53) 18.41,43.54 18.42,43.54 18.42,43.6 17.96,44.05 U1002.H16 ; U1002.AD12 U1002.AE12 ; U1002.R15 21.46,44.03 ; v1(21.95,46.18) 21.86,46.09 U1002.R20 ; U1002.H20 17.55,46.09 17.52,46.06 17.52,46.03 v1(17.5,46.01) 17.47,46.01 17.46,46 U1002.G19 ; v1(22.02,42.17) 21.98,42.14 21.98,42.14 21.96,42.15 U1002.T13 U1002.T14 ; v1(19.5,39.62) U1002.M8 ; U1002.AD9 U1002.AE8 ; U6002.A6 40.36,25.56 v1(40.57,25.78) ; U1002.AA11 24.96,41.59 v1(24.96,41.59)
  Top w0.203: v1(19.44,42.59) 19.41,42.61 19.38,42.59 ; U1002.J13 18.45,42.59
  Top w0.25: 20.45,41.09 U1002.M10 ; U1002.AE8 27.29,40.09 v1(27.33,40.04) ; v1(20.5,41.09) U1002.P10 ; v1(23.79,39.5) 23.7,39.59 U1002.W7 ; U6002.N5 U6002.P6 40.36,18.81 40.85,18.33 v1(40.85,18.31) ; v1(39.24,18.08) 39.24,18.48 39.36,18.61 U6002.P4 ; U6002.C4 39.82,23.87 v1(39.82,23.82) ; v1(20.5,44.04) 20.48,44.02 20.48,44.02 20.46,44.01 U1002.N15 ; v1(27.34,43.41) 27.33,43.42 27.33,43.6 26.85,44.09 U1002.AE16 U1002.AD16 ; v1(39.35,22.33) U6002.G5 ; v2(18.51,39.29) 18.46,39.34 U1002.J7 U1002.K7 19.47,39.59 19.5,39.62 ; U1002.B25 U1002.A25 ; U1002.A25 v1(14.46,49.44) ; U1002.A25 U1002.A24 ; v1(42.88,22.23) 42.88,22.17 42.54,21.83 U6002.H10 ; 21.46,44.03 v1(21.5,44.07) 21.52,44.09 U1002.T16 ; U1002.M18 v1(19.5,44.62) 19.54,44.59 U1002.M17 ; v1(27.32,42.48) 26.85,42.48 U1002.AE12 ; U1002.T8 U1002.U8 22.46,40.47 v1(22.5,40.51) 22.57,40.59 U1002.V9 U1002.V10 ; U6002.J5 39.44,21.33 v1(39.38,21.39) ; U1002.AE1 27.09,36.59 27.34,36.84 v1(27.34,37.02) ; v1(41.3,22.83) 41.22,22.83 40.86,23.19 U6002.E7 ; U1002.V18 22.96,45.51 v1(23.01,45.56) 22.99,45.56 22.96,45.59 U1002.U19 ; U1002.AD25 U1002.AE25 v1(26.46,49.44) ; U6002.K8 v1(41.36,20.36)
  Top w0.254: v1(21.63,28.91) 21.23,28.91 C3088.2 ; v1(20.5,41.09) 20.45,41.09 ; v1(19.5,39.62) 19.5,39.62 ; v1(21.63,29.69) C3084.2
  Top w0.3: v1(6.46,4.6) 6.45,4.61 U1003.1 ; U1003.4 8.41,5.45 v1(8.46,5.5) ; 72.58,36.3 71.97,36.3 v1(71.74,36.07) ; 13.96,73.45 v1(14.6,73.45) ; U2001.1 v1(0.96,60.55) ; 2.96,73.45 v1(2.96,75.05) ; 0.96,73.45 v1(0.96,75.05) ; v1(9.26,7.6) 9.32,7.54 9.32,7.11 ; v1(9.36,3.4) 9.32,3.44 9.32,3.97 ; v1(71.74,37.98) 72.06,37.66 72.58,37.66 ; 4.96,73.45 v1(4.96,75.05) ; U2001.14 v1(14.62,62.15) ; 1.96,73.45 v1(1.96,75.05)